# Altium PCB uTCA_MCH_PCB3.pcbdoc (part 7 of 25) (continued)
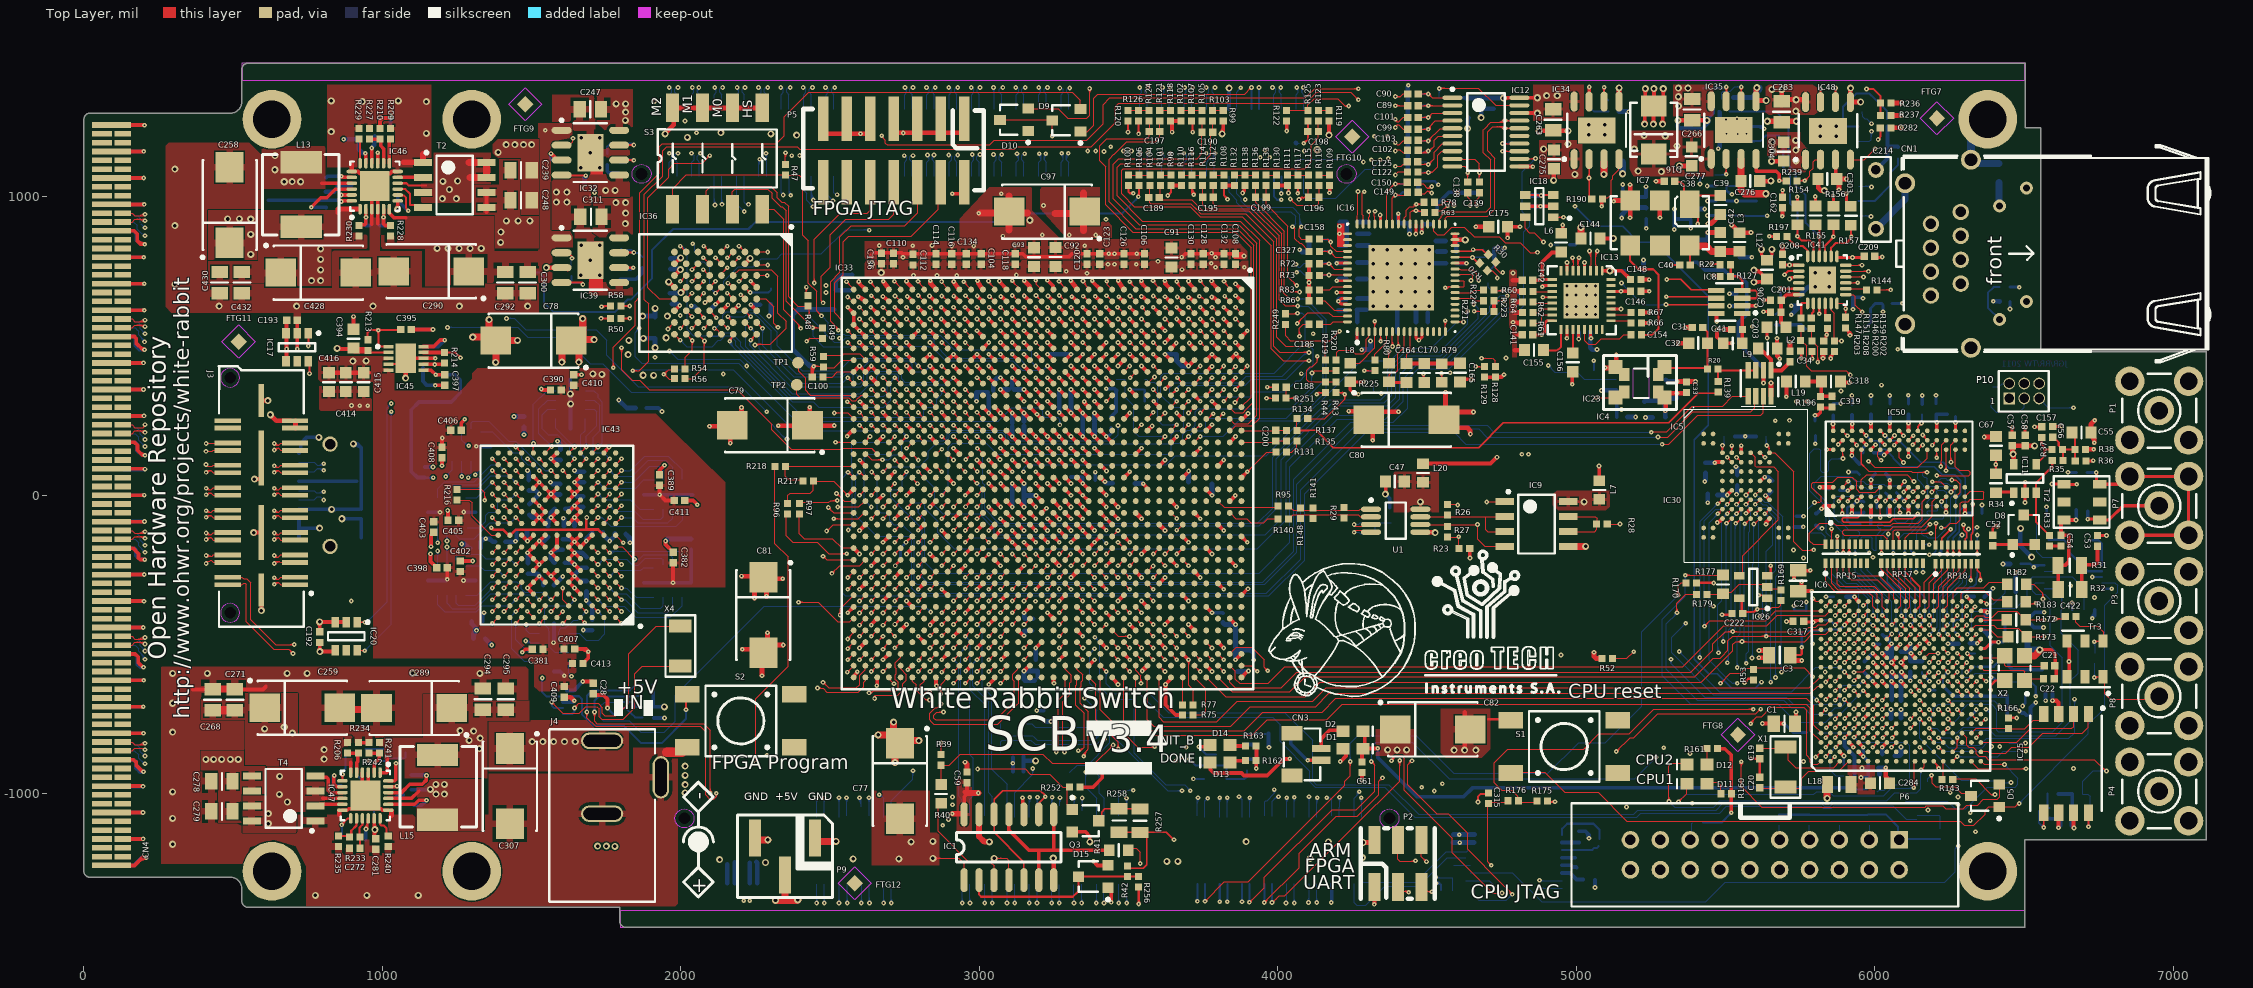
[diagram p0: Top Layer view]
## Nets (pads, with @x,y where several pads share a name; then routed paths per layer and width w, separated by ;. In a path a pad name is that pad's centre, name@x,y a point inside that pad or via, vN(x,y) a via of type N, cw(c..) or ccw(c..) an arc to the next point about the centre after c; other vN are vias at no path point) (continued)
  Bottom Layer w3.94: 5787.35,-35.46 ccw(c5775.88,-24) v1@5792.09,-24 ; 5789.3,-33.51 cw(c5798,-42.21) v1@5798,-29.91 ; v1@5797.27,-24 v1(5798,-24) ; v1@5798.62,-24.19 5798.4,-24.41 5775.43,-47.38 5775.43,-115.32 5785.11,-125 5820,-125 5834.53,-139.53 RP16.9@5834.53,-165.06
DDR_DQM1: IC50.B3 RP16.13 | length 614
  Top Layer w3.94: IC50.B3@5892.17,26.72 5908.1,42.65 v1@5908.74,42.65 ; 5899.67,34.22 ccw(c5887.21,46.67) v1@5904.82,46.67 ; 5903.02,37.57 cw(c5910.73,29.86) v1@5910.73,40.76
  Bottom Layer w3.94: v1@5910.73,40.76 cw(c5910.73,30.44) 5918.03,37.74 ; v1@5911.4,40.73 5915.04,40.73 5924.29,31.48 5931.02,31.48 5933.52,33.98 5940.57,33.98 5947.61,26.94 5955.09,26.94 5955.2,26.83 5967.85,26.83 5974.72,19.96 5986.27,19.96 5993.14,26.83 6011.22,26.83 6015.87,22.18 6015.87,3.15 6013.49,0.77 6005.44,0.77 6000.31,-4.36 5994.46,-4.36 5989.33,0.77 5981.28,0.77 5973.82,8.23 5961.67,8.23 5954.21,0.77 5940.68,0.77 5936.27,-3.64 5871.97,-3.64 5864.17,-11.44 5864.17,-75.59 5876.64,-88.06 5884.44,-88.06 5902.19,-105.81 5902.19,-105.9 5913.29,-117 5941.64,-117 5949.71,-125.07 5949.71,-131.04 5942.42,-138.33 5919.66,-138.33 5913.38,-144.61 5913.38,-153.98 5914.25,-154.85 RP16.13@5914.25,-165.06 ; v1@5916.64,46.67 ccw(c5934.83,46.67) 5921.96,33.81
  other v1: 5910.73,46.67
DDR_DQS0: IC50.F7 RP15.15 | length 704.1
  Top Layer w3.94: v1@5850.82,-116.18 cw(c5840.84,-126.16) 5854.96,-126.16 ; RP15.15@5854.96,-164.66 v1(5855,-112) v1(5855,-112) ; 5854.96,-126.35 cw(c5869.35,-126.35) v1@5859.18,-116.18 ; v1@6015.09,117 ccw(c6000.84,117) 6010.92,127.08 ccw(c6021,137.16) v1@6021,122.91 ; IC50.F7@6018.15,152.7 6009,143.55 6009,129 v1(6021,117)
  MidLayer1 w3.94: v1@5850.82,-107.82 ccw(c5840.74,-97.74) 5855,-97.74 ccw(c5869.26,-97.74) v1@5859.18,-107.82 ; v1(5855,-112) 5855,66 5867,78 5886,78 5892,84 5892,91 5887,96 5841,96 5835,102 5835,115 5840,120 5854,120 5883,149 5954,149 5968,135 6003,135 v1(6021,117) ; v1@6015.09,117 ccw(c6000.84,117) 6010.92,127.08 ccw(c6021,137.16) v1@6021,122.91
DDR_DQS1: IC50.B7 RP16.10 | length 637
  Top Layer w3.94: v1@5888.82,127.18 ccw(c5880.76,135.24) 5892.17,135.24 ; 5892.17,139.27 ccw(c5909.27,139.27) v1@5897.18,127.18 ; IC50.B7@5892.17,152.7 5892.17,123.83 v1(5893,123)
  Bottom Layer w3.94: RP16.10@5855.2,-165.06 5855.2,-143.2 5837,-125 5837,-39.09 5782.06,15.85 5782.06,141.06 5797,156 5812,156 5818,150 5818,82 5823,77 5838,77 5845,84 5845,113 5855,123 v1(5893,123) ; v1@5888.82,118.82 ccw(c5878.74,108.74) 5878.74,123 ccw(c5878.74,137.26) v1@5888.82,127.18
DDR_RAS: IC50.K7 RP17.16 | length 676.9
  Top Layer w3.94: v1@6017.82,-190.82 ccw(c6009.24,-182.24) 6021.38,-182.24 ; v1@6021.38,-194.38 RP17.16@6021.38,-165.33 ; RP17.16@6021.38,-179.24 ccw(c6037.76,-179.24) v1@6026.18,-190.82
  Top Layer w4: IC50.K7@6144.13,152.7 v1(6160.05,168.62) v1@6161.05,168.62 ; v1@6154.18,168.62 cw(c6140,168.62) 6150.03,158.59 cw(c6160.05,148.56) v1@6160.05,162.75
  MidLayer4 w3.94: 6016,95 6016,102 6012,106 6005.8,106 5999.8,100 5999.8,33.8 5972,6 5972,-20 6002,-50 6002,-127 6022,-147 v1(6022,-195) ; v1@6017.82,-190.82 ccw(c6007.74,-180.74) 6022,-180.74 ccw(c6036.26,-180.74) v1@6026.18,-190.82
  MidLayer4 w4: 6016,95 6022,89 6035,89 6097,151 6143.05,151 6160.36,168.31 v1@6160.86,168.81 ; 6149.59,157.54 ccw(c6138.51,168.62) v1@6154.18,168.62 ; 6151.08,159.03 cw(c6160.05,150.05) v1@6160.05,162.75
DDR_VREF: C316.1 C317.1 C319.2 C320.1 IC6.A16 IC50.J2 R195.2 R196.1 | length 1436
  Top Layer w10: C317.1@5767.48,-422.76 5768.72,-424 5795,-424 5800.24,-418.76 IC6.A16@5819.61,-418.76 ; 5781.09,-424 cw(c5781.09,-437.43) v1@5790.59,-427.93 ; v1@5794.65,-427.93 cw(c5816.81,-450.09) IC6.A16@5816.81,-418.76 ; v1@5797.45,267.63 5809.18,267.63 5817.77,276.22 ; v1(5799.5,267.84) v1@5799.95,267.84 ; v1@5800.01,270.67 ccw(c5803.59,290.4) 5817.77,276.22 ; R196.1@5817.77,296.01 5817.77,276.22 ; R196.1@5824.83,292.72 C319.2@5863.3,292.72 ; v1(6098,-20) 6098,-19.42 IC50.J2@6112.64,-4.78 ; v1@6100.87,-20 cw(c6109.22,-20) 6103.32,-14.1
  MidLayer2 w10: v1@5758.76,-67.94 ccw(c5748.52,-57.7) 5763,-57.7 ; v1@5759.65,-69.63 5793.03,-103.01 5793.03,-128.16 5816.03,-151.16 5816.03,-371.2 5792.38,-394.85 5792.38,-426.62 v1@5795,-424 ; v1@5763,-70.69 5763,258 5772.49,267.49 v1@5799.84,267.49 ; v1@5763.66,-69.97 ccw(c5772.53,-69.97) 5766.26,-76.24 ; 5766.21,-2.39 6080.39,-2.39 v1(6098,-20)
  Bottom Layer w10: C316.1@5735.99,-69.28 C316.1@5736.68,-69.97 ; R195.2@5799.5,249.13 v1(5799.5,267.84) ; C320.1@6071.69,9.43 6098,-16.87 v1(6098,-20) ; 6090.88,-9.76 cw(c6080.64,-20) v1@6095.13,-20
  Bottom Layer w12.6: C316.1@5736.68,-69.97 v1(5760.79,-69.97)
  other v1: 5792.62,-425.9
DDR_WE: IC50.K3 RP16.12 | length 673.8
  Top Layer w3.94: v1@6128,17.91 ccw(c6128,35.58) IC50.K3@6140.5,23.08 ; v1@6129.42,12 IC50.K3@6144.13,26.72 ; v1@6133.91,12 cw(c6144.74,12) 6137.08,19.66
  Bottom Layer w3.94: RP16.12@5894.57,-165.06 5894.57,-128.1 5847,-80.53 5847,-32.17 5796.88,17.95 5796.88,39.88 5821.22,64.22 5918.19,64.22 5935.12,47.29 5961.71,47.29 5971.78,37.22 6029,37.22 6034,32.22 6107.78,32.22 v1(6128,12) ; v1@6122.09,12 ccw(c6107.84,12) 6117.92,22.08 ccw(c6128,32.16) v1@6128,17.91
DMTD_CLK_N: IC13.5 IC33.M22 | length 2589.1
  Top Layer w3.94: IC33.M22@3445.87,-137.8 v1@3464.84,-118.82 ; 3453.79,-129.87 ccw(c3442.03,-118.11) v1@3458.66,-118.11 ; 3456.17,-127.5 cw(c3464.57,-135.9) v1@3464.57,-124.02 ; 5005.22,772.09 cw(c5032.1,772.09) v1@5013.09,791.1 ; 5005.22,781.6 cw(c5022.59,781.6) v1@5010.31,793.88 ; IC13.5@5007.87,751.97 5007.87,769.69 5005.22,772.35 5005.22,791.58 v1(5008.91,795.28)
  MidLayer1 w3.94: v1@5005.13,799.06 v1(5008.91,795.28)
  MidLayer4 w3.94: 3375.63,81.83 3375.63,82.78 ; v1@3458.66,-118.11 cw(c3444.4,-118.11) 3454.49,-128.19 cw(c3464.57,-138.27) v1@3464.57,-124.02 ; v1(3464.57,-118.11) 3452.32,-130.35 3407.6,-130.35 3398.62,-121.38 3398.62,-112.81 3391.13,-105.31 3382.05,-105.31 3375.63,-98.9 3375.63,82.78 ; v1@5003.67,792.55 cw(c4995.28,788.19) 5001.97,781.5 ; 5005.77,785.3 ccw(c5000.28,790.79) v1@5007.17,794.37 ; v1(5008.91,795.28) 5008.91,788.44 5001.97,781.5 ; 3375.63,82.78 3375.63,88.88 3385,98.25 3547.95,98.25 3560.64,85.56 3653.95,85.56 3685.73,117.34 3778.83,117.34 3793.57,132.08 3953.14,132.08 4054.72,233.66 4702.75,233.66 4819.85,350.76 4819.85,519.51 4937.43,637.09 4937.43,732.28 4943.34,738.19 4982.26,738.19 5001.97,757.9 5001.97,781.5
DMTD_CLK_P: IC13.6 IC33.L23 | length 2615
  Top Layer w3.94: v1@3464.17,-163.39 cw(c3464.17,-178.59) 3474.93,-167.84 ; v1@3464.57,-157.48 IC33.L23@3484.25,-177.17 ; v1@3470.08,-157.48 ccw(c3483.39,-157.48) 3473.98,-166.89 ; v1@4982.97,791.1 cw(c4963.97,772.09) 4990.85,772.09 ; v1@4985.76,793.88 cw(c4973.47,781.6) 4990.85,781.6 ; v1(4987.15,795.28) 4990.85,791.58 4990.85,772.35 4988.19,769.69 IC13.6@4988.19,751.97
  MidLayer1 w3.94: v1(4987.15,795.28) v1@4990.93,799.06
  MidLayer4 w3.94: 3361.43,82.78 3361.43,88.66 ; v1@3458.27,-157.48 ccw(c3444.01,-157.48) 3454.09,-147.4 ccw(c3464.17,-137.32) v1@3464.17,-151.57 ; v1(3464.17,-157.48) 3451.25,-144.56 3401.72,-144.56 3388.06,-130.91 3380.53,-130.91 3373.03,-123.41 3373.03,-116.39 3361.43,-104.78 3361.43,88.66 ; v1@4982.97,791.1 cw(c4972.89,781.02) 4987.15,781.02 cw(c5001.41,781.02) v1@4991.33,791.1 ; v1(4987.15,795.28) 4987.15,763.17 4976.38,752.39 4937.45,752.39 4923.23,738.17 4923.23,642.98 4805.65,525.39 4805.65,356.65 4696.87,247.87 4048.84,247.87 3947.25,146.28 3787.69,146.28 3772.95,131.54 3679.85,131.54 3648.07,99.76 3566.53,99.76 3553.84,112.45 3379.12,112.45 3361.43,94.76 3361.43,88.66
DMTDCLK_MB_N: IC13.2 J1.95 | length 1640.6
  Top Layer w3.94: 5064.27,798.34 cw(c5080.9,798.34) v1@5072.93,812.93 ; 5064.27,804.97 cw(c5077.27,804.97) v1@5071.04,816.38 ; 5064.27,811.61 cw(c5073.65,811.61) v1@5069.15,819.84 ; v1@5064.8,815.49 cw(c5062.3,814.26) 5064.27,812.29 ; IC13.2@5066.93,751.97 5066.93,769.76 5064.27,772.41 5064.27,799.21 5064.27,812.29 ; v1@5067.48,812.82 ccw(c5066.24,810.32) 5064.27,812.29 ; v1(5070.1,818.11) 5064.27,812.29
  MidLayer4 w3.94: 4081.04,1342.76 cw(c4108.2,1342.76) v1@4088.99,1361.97 ; 4081.04,1352.26 cw(c4098.7,1352.26) v1@4086.21,1364.75 ; v1(4084.82,1366.14) 4081.04,1362.36 4081.04,1326.77 4118.02,1289.8 4192.49,1289.8 4272.43,1209.86 4311.84,1209.86 4317.53,1215.55 4330.13,1215.55 4335.83,1209.86 4355.15,1209.86 4360.84,1215.55 4372.24,1215.55 4378.71,1209.09 4418.47,1209.09 4489.73,1137.83 4709.02,1137.83 4810.85,1036 4977,1036 5064.19,948.81 5064.19,824.02 v1(5070.1,818.11) ; 5064.19,827.61 ccw(c5079.6,827.61) v1@5068.7,816.72 ; 5064.19,837.12 ccw(c5089.1,837.12) v1@5071.49,819.5 ; 5064.19,846.62 ccw(c5098.61,846.62) v1@5074.27,822.29
  Bottom Layer w3.94: 4079.41,1348.48 cw(c4092.94,1348.48) v1@4087.29,1360.78 ; 4079.41,1354.62 cw(c4090.12,1354.62) v1@4085.64,1364.35 ; v1(4084.82,1366.14) 4079.41,1360.73 4079.41,1349.33 4086.54,1342.2 J1.95@4086.54,1293.9
DMTDCLK_MB_P: IC13.3 J1.93 | length 1655.7
  Top Layer w3.94: v1@5039.9,813.93 cw(c5015.76,789.8) 5049.9,789.8 ; v1@5042.69,816.72 cw(c5025.27,799.3) 5049.9,799.3 ; v1(5044.08,818.11) 5049.9,812.29 ; v1@5045.47,819.5 cw(c5034.77,808.81) 5049.9,808.81 ; v1@5046.7,812.82 cw(c5047.93,810.32) 5049.9,812.29 ; IC13.3@5047.24,751.97 5047.24,769.76 5049.9,772.41 5049.9,812.29 ; v1@5049.37,815.49 ccw(c5051.87,814.26) 5049.9,812.29
  MidLayer4 w3.94: v1@4058.88,1361.97 cw(c4039.67,1342.76) 4066.83,1342.76 ; v1@4061.66,1364.75 cw(c4049.18,1352.26) 4066.83,1352.26 ; v1(4063.06,1366.14) 4066.83,1362.36 4066.83,1320.89 4112.13,1275.59 4186.6,1275.59 4266.54,1195.65 4311.84,1195.65 4317.53,1189.96 4330.13,1189.96 4335.83,1195.65 4355.15,1195.65 4360.84,1189.96 4372.64,1189.96 4377.56,1194.88 4412.59,1194.88 4483.85,1123.62 4703.14,1123.62 4804.97,1021.8 4970.19,1021.8 5049.98,942 5049.98,824.02 v1(5044.08,818.11) ; v1@5039.9,822.29 ccw(c5015.57,846.62) 5049.98,846.62 ; v1@5042.69,819.5 ccw(c5025.07,837.12) 5049.98,837.12 ; v1@5045.47,816.72 ccw(c5034.57,827.61) 5049.98,827.61
  Bottom Layer w3.94: v1@4060.59,1360.78 cw(c4054.93,1348.48) 4068.47,1348.48 ; J1.93@4061.34,1293.9 4061.34,1342.2 4068.47,1349.33 4068.47,1360.73 v1(4063.06,1366.14) ; v1@4062.23,1364.35 cw(c4057.76,1354.62) 4068.47,1354.62
DONE: IC33.R8 Q1.1 R46.1 | length 2301.4
  Top Layer w12.6: v1(3307.09,433.07) IC33.R8@3326.77,413.39
  MidLayer4 w3.94: 3237.2,-684.84 3466.1,-913.74 3696.5,-913.74 3769.86,-840.37 v1@3966.36,-840.37 ; 3243.19,-690.67 3175.51,-622.99 3175.51,-439.13 3136.81,-400.43 3136.81,-308.62 3210.55,-234.88 3210.55,316.73 3307.09,413.27 v1(3307.09,433.07) ; v1@3302.91,428.9 cw(c3292.83,418.81) 3307.09,418.81 cw(c3321.34,418.81) v1@3311.26,428.9 ; 3946.28,-840.37 cw(c3946.28,-868.68) v1@3966.3,-848.66 ; 3955.79,-840.37 cw(c3955.79,-859.17) v1@3969.08,-845.88
  Bottom Layer w6.89: R46.1@3889.76,-799.21 Q1.1@3958.66,-799.21
  Bottom Layer w12.6: v1@3968.5,-842.52 Q1.1@3968.5,-798.23 ; 3968.5,-835.93 ccw(c3979.03,-835.93) v1@3971.59,-843.37
  other v1: 3970.47,-844.49
EBI0_A0: IC6.M17 RP18.2 | length 181.6
  Top Layer w3.94: IC6.M17@6166.06,-387.26 6181.81,-371.51 6181.81,-292.54 6223.86,-250.49 RP18.2@6223.86,-229.62
EBI0_A1: IC6.L14 RP20.1 | length 368
  Top Layer w4: IC6.L14@6134.57,-481.75 6134.57,-481.43 v1(6150,-466) ; v1@6144.13,-466 cw(c6129.94,-466) 6139.97,-476.03 cw(c6150,-486.06) v1@6150,-471.87
  MidLayer1 w4: v1(6150,-466) 6150,-463.1 6166,-447.1 6166,-287 6161,-282 v1(6161,-258) ; v1@6150,-460.13 ccw(c6150,-452.94) 6155.08,-458.02 ; v1@6151.87,-466 cw(c6163.4,-466) 6155.25,-457.85 ; v1@6155.87,-466 cw(c6177.05,-466) 6162.08,-451.02 ; v1@6156.85,-262.15 cw(c6146.82,-272.18) 6161,-272.18 cw(c6175.18,-272.18) v1@6165.15,-262.15
  Bottom Layer w4: v1@6156.85,-253.85 ccw(c6148.09,-245.09) 6160.47,-245.09 ; RP20.1@6160.47,-242.55 ccw(c6176.45,-242.55) v1@6165.15,-253.85 ; RP20.1@6160.47,-227.22 6160.47,-257.47 v1(6161,-258)
EBI0_A2: IC6.M18 RP18.1 | length 141.5
  Top Layer w3.94: IC6.M18@6166.06,-355.76 6166.18,-355.65 6166.18,-290.76 6203.19,-253.76 RP18.1@6203.19,-229.62
EBI0_A3: IC6.L15 RP20.5 | length 302.2
  Top Layer w4.29: v1@6119,-440.73 cw(c6119,-455.32) IC6.L15@6129.32,-445 ; v1(6119,-435) 6119.32,-435 IC6.L15@6134.57,-450.25 ; v1@6124.73,-435 ccw(c6137.8,-435) 6128.56,-444.24
  Bottom Layer w4.29: RP20.5@6080.75,-227.22 6080.75,-300.75 6135,-355 6135,-419 v1(6119,-435) ; v1@6119,-429.27 ccw(c6119,-415.44) 6128.78,-425.22 ccw(c6138.56,-435) v1@6124.73,-435
EBI0_A4: IC6.L16 RP20.6 | length 266.8
  Top Layer w3.94: v1@6120,-409.91 cw(c6120,-423.71) IC6.L16@6129.76,-413.95 ; v1(6120,-404) 6120,-404.19 IC6.L16@6134.57,-418.76 ; v1@6125.91,-404 ccw(c6140.62,-404) IC6.L16@6130.21,-414.4
  Bottom Layer w3.94: RP20.6@6061.06,-227.22 6061.06,-295.06 6120,-354 v1(6120,-404) ; v1@6115.82,-399.82 ccw(c6105.74,-389.74) 6120,-389.74 ccw(c6134.26,-389.74) v1@6124.18,-399.82
EBI0_A5: IC6.L18 RP17.4 | length 149.5
  Top Layer w4: RP17.4@6081.42,-228.32 6081.42,-256.43 6134.49,-309.5 6134.49,-355.68 IC6.L18@6134.57,-355.76
EBI0_A6: IC6.L17 RP17.5 | length 185.9
  Top Layer w4.29: RP17.5@6101.1,-228.32 6101.1,-257.1 6150.42,-306.42 6150.42,-371.41 IC6.L17@6134.57,-387.26
EBI0_A7: IC6.K14 RP20.2 | length 360.6
  Top Layer w3.94: IC6.K14@6103.07,-481.75 6104.25,-481.75 v1(6120,-466) ; v1@6114.09,-466 cw(c6099.84,-466) 6109.92,-476.08 cw(c6120,-486.16) v1@6120,-471.91
  MidLayer1 w3.94: v1(6120,-466) 6134,-452 6134,-273 6138,-269 ; v1@6120,-460.09 ccw(c6120,-445.84) 6130.08,-455.92 ccw(c6140.16,-466) v1@6125.91,-466 ; v1@6134.74,-262.92 cw(c6130.71,-269) 6138,-269 ; v1(6138,-258) 6138,-269 ; v1@6141.26,-262.92 ccw(c6145.29,-269) 6138,-269
  Bottom Layer w3.94: v1@6133.82,-253.82 ccw(c6119.39,-239.39) RP20.2@6139.8,-239.39 ; v1@6136.61,-256.61 ccw(c6128.89,-248.89) 6139.8,-248.89 ; v1(6138,-258) 6139.8,-256.2 RP20.2@6139.8,-227.22 ; 6139.8,-248.1 ccw(c6147.9,-248.1) v1@6142.18,-253.82
EBI0_A8: IC6.K15 RP20.7 | length 305.3
  Top Layer w4.29: v1@6088,-440.73 cw(c6088,-454.12) 6097.47,-444.65 ; v1(6088,-435) 6088,-435.18 IC6.K15@6103.07,-450.25 ; v1@6093.73,-435 ccw(c6107.99,-435) IC6.K15@6097.91,-445.09
  Bottom Layer w4.29: RP20.7@6041.38,-227.22 6041.38,-289.38 6104,-352 6104,-419 v1(6088,-435) ; v1@6088,-429.27 ccw(c6088,-415.44) 6097.78,-425.22 ccw(c6107.56,-435) v1@6093.73,-435
EBI0_A9: IC6.K16 RP20.8 | length 270
  Top Layer w3.94: v1@6089,-409.91 cw(c6089,-422.51) IC6.K16@6097.91,-413.6 ; v1(6089,-404) 6089,-404.68 IC6.K16@6103.07,-418.76 ; v1@6094.91,-404 ccw(c6110.81,-404) IC6.K16@6099.57,-415.25
  Bottom Layer w3.94: RP20.8@6020,-227.93 6020,-281 6089,-350 v1(6089,-404) ; v1@6084.82,-399.82 ccw(c6074.74,-389.74) 6089,-389.74 ccw(c6103.26,-389.74) v1@6093.18,-399.82
EBI0_A10: IC6.K18 RP17.2 | length 152.7
  Top Layer w3.94: RP17.2@6042.05,-228.32 6042.05,-252.38 6103.07,-313.4 IC6.K18@6103.07,-355.76
EBI0_A11: IC6.K17 RP17.3 | length 188.1
  Top Layer w3.94: RP17.3@6061.73,-228.32 6061.73,-256.2 6117.62,-312.08 6117.62,-372.71 IC6.K17@6103.07,-387.26
EBI0_A12: IC6.J14 RP16.1 | length 352.8
  Top Layer w3.94: IC6.J14@6071.58,-481.75 6072.25,-481.75 v1(6088,-466) ; v1@6082.09,-466 cw(c6067.84,-466) 6077.92,-476.08 cw(c6088,-486.16) v1@6088,-471.91
  Bottom Layer w3.94: RP16.1@5974.29,-228.05 5974.29,-251.29 6072,-349 6072,-450 v1(6088,-466) ; v1@6082.09,-466 ccw(c6067.84,-466) 6077.92,-455.92 ccw(c6088,-445.84) v1@6088,-460.09
EBI0_BA0: IC6.G17 RP15.1 | length 296
  Top Layer w3.94: RP15.1@5834.29,-227.65 5834.72,-228.09 5834.72,-289.86 5870.71,-325.84 5980.31,-325.84 5993.07,-338.61 5993.07,-371.75 IC6.G17@6008.58,-387.26
EBI0_BA1: IC6.G16 RP16.6 | length 310.8
  Top Layer w3.94: v1@5994,-408.91 cw(c5994,-420.33) 6002.08,-412.25 ; v1(5994,-403) 5994,-404.17 IC6.G16@6008.58,-418.76 ; v1@5999.91,-403 ccw(c6016.99,-403) IC6.G16@6004.91,-415.08
  Bottom Layer w3.94: RP16.6@5874.88,-228.05 5874.88,-265.88 5904,-295 5938,-295 5994,-351 v1(5994,-403) ; v1@5989.82,-398.82 ccw(c5979.74,-388.74) 5994,-388.74 ccw(c6008.26,-388.74) v1@5998.18,-398.82
EBI0_CAS: IC6.H17 RP15.3 | length 296.3
  Top Layer w3.94: RP15.3@5874.65,-227.65 5874.65,-296.98 5882.52,-304.86 5998.15,-304.86 6025.11,-331.82 6025.11,-373.55 IC6.H17@6039.52,-387.96
EBI0_CKE: IC6.J16 RP16.2 | length 314.8
  Top Layer w3.94: v1(6057,-434) 6057,-433.33 IC6.J16@6071.58,-418.76 ; v1@6057,-428.09 ccw(c6057,-415.45) 6065.94,-424.39 ; v1@6062.91,-434 cw(c6078.78,-434) IC6.J16@6067.55,-422.78
  Bottom Layer w3.94: RP16.2@5953.62,-228.05 5953.62,-253.76 6057,-357.14 v1(6057,-434) ; v1@6052.82,-429.82 ccw(c6042.74,-419.74) 6057,-419.74 ccw(c6071.26,-419.74) v1@6061.18,-429.82
EBI0_CLK_N: IC6.H18 RP15.4 | length 247.3
  Top Layer w3.94: RP15.4@5894.33,-227.65 5894.33,-257.61 5920.2,-283.48 6008.46,-283.48 6048.64,-323.66 6048.64,-347.2 IC6.H18@6040.08,-355.76
EBI0_CLK_P: IC6.J18 RP15.5 | length 244.5
  Top Layer w3.94: RP15.5@5914.02,-227.65 5914.02,-256.04 5927.09,-269.11 6014.42,-269.11 6063.01,-317.71 6063.01,-347.2 IC6.J18@6071.58,-355.76
EBI0_CS: IC6.H14 RP16.3 | length 360.5
  Top Layer w3.94: IC6.H14@6040.08,-481.75 6040.08,-481.08 6056.16,-465 v1(6057,-465) ; 6045.48,-475.68 cw(c6057,-487.2) v1@6057,-470.91 ; 6047.51,-473.64 ccw(c6038.87,-465) v1@6051.09,-465
  Bottom Layer w3.94: RP16.3@5933.94,-228.05 5933.94,-253.94 5943,-263 5949,-263 6041,-355 6041,-449 v1(6057,-465) ; v1@6051.09,-465 ccw(c6036.84,-465) 6046.92,-454.92 ccw(c6057,-444.84) v1@6057,-459.09
EBI0_D0: IC6.R16 RP18.7 | length 315.3
  Top Layer w3.94: IC6.R16@6260.55,-418.76 v1@6275.91,-403.4 ; v1@6270.39,-403.01 cw(c6256.14,-403.01) 6266.22,-413.09 cw(c6276.3,-423.17) v1@6276.3,-408.91 ; v1@6317.24,-280.29 ccw(c6305.07,-268.12) 6322.28,-268.12 ; v1(6321.42,-284.46) 6322.28,-283.6 RP18.7@6322.28,-229.62 ; 6322.28,-272.3 ccw(c6333.58,-272.3) v1@6325.59,-280.29
  MidLayer1 w3.94: v1@6270.39,-403.01 ccw(c6256.14,-403.01) 6266.22,-392.93 ccw(c6276.3,-382.85) v1@6276.3,-397.1 ; v1(6276.3,-403.01) 6262.32,-389.03 6262.32,-343.56 v1(6321.42,-284.46) ; v1@6315.51,-284.46 cw(c6301.25,-284.46) 6311.34,-294.55 cw(c6321.42,-304.63) v1@6321.42,-290.37
EBI0_D1: IC6.R15 RP18.8 | length 359.6
  Top Layer w3.94: IC6.R15@6260.55,-450.25 v1(6276.3,-434.5) ; v1@6270.39,-434.5 cw(c6256.14,-434.5) 6266.22,-444.59 cw(c6276.3,-454.67) v1@6276.3,-440.41
  Top Layer w4.29: RP18.8@6342.95,-229.62 6342.95,-250.45 6353.23,-260.72 v1(6353.23,-284.46) ; v1@6349.18,-280.41 ccw(c6339.4,-270.64) 6353.23,-270.64 ccw(c6367.06,-270.64) v1@6357.28,-280.41
  MidLayer1 w3.94: v1(6276.3,-434.5) 6293.62,-417.18 6293.62,-331.38 6320.59,-304.41 6333.28,-304.41 v1(6353.23,-284.46) ; v1@6276.3,-428.6 ccw(c6276.3,-414.34) 6286.38,-424.42 ccw(c6296.46,-434.5) v1@6282.2,-434.5 ; v1@6347.32,-284.46 cw(c6333.07,-284.46) 6343.15,-294.55 cw(c6353.23,-304.63) v1@6353.23,-290.37
EBI0_D2: IC6.T14 RP19.1 | length 356.1
  Top Layer w4.29: v1@6277,-472.73 cw(c6277,-487.28) IC6.T14@6287.29,-476.99 ; v1(6277,-467) 6277.3,-467 IC6.T14@6292.05,-481.75 ; v1@6282.73,-467 ccw(c6295.83,-467) IC6.T14@6286.57,-476.27
  Bottom Layer w4.29: v1@6271.27,-467 ccw(c6257.44,-467) 6267.22,-457.22 ccw(c6277,-447.44) v1@6277,-461.27 ; v1(6277,-467) 6262.34,-452.34 6262.34,-426.66 6272.04,-416.96 6286.04,-416.96 6293,-410 6293,-332 6319,-306 6330,-306 6339,-297 6339,-277 6342.95,-273.05 RP19.1@6342.95,-229.62
EBI0_D3: IC6.P15 RP19.2 | length 313.1
  Top Layer w3.94: IC6.P15@6229.06,-450.25 v1@6244.8,-434.5 ; IC6.P15@6230.8,-448.51 ccw(c6216.85,-434.56) v1@6236.57,-434.56 ; 6236.27,-443.04 cw(c6242.48,-449.25) v1@6242.48,-440.47 ; 6237.52,-441.79 ccw(c6230.29,-434.56) v1@6240.51,-434.56
  Bottom Layer w3.94: v1(6242.48,-434.56) 6260,-417.04 6260,-345 6307,-298 6307,-279.39 6322.28,-264.11 RP19.2@6322.28,-229.62 ; v1@6242.48,-428.66 ccw(c6242.48,-414.4) 6252.56,-424.48 ccw(c6262.64,-434.56) v1@6248.39,-434.56
EBI0_D4: IC6.P16 RP19.3 | length 273.4
  Top Layer w3.94: IC6.P16@6229.06,-418.76 v1@6244.75,-403.07 ; IC6.P16@6230.8,-417.01 ccw(c6216.85,-403.07) v1@6236.57,-403.07 ; 6236.27,-411.54 cw(c6242.48,-417.76) v1@6242.48,-408.97 ; 6237.52,-410.29 ccw(c6230.29,-403.07) v1@6240.51,-403.07
  Bottom Layer w3.94: v1@6238.3,-398.89 ccw(c6228.22,-388.81) 6242.48,-388.81 ccw(c6256.74,-388.81) v1@6246.66,-398.89 ; v1(6242.48,-403.07) 6242.48,-343.52 6294,-292 6294,-274 6302.6,-265.4 RP19.3@6302.6,-229.62
EBI0_D5: IC6.P17 RP18.6 | length 188.1
  Top Layer w3.94: IC6.P17@6229.06,-387.26 6229.06,-383.32 6244.59,-367.79 6244.59,-310.11 6302.6,-252.1 RP18.6@6302.6,-229.62
EBI0_D6: IC6.R14 RP19.4 | length 333
  Top Layer w3.94: v1@6244,-471.91 cw(c6244,-488.1) IC6.R14@6255.45,-476.65 ; v1(6244,-466) 6244.8,-466 IC6.R14@6260.55,-481.75 ; v1@6249.91,-466 ccw(c6262.22,-466) 6253.51,-474.71
  Bottom Layer w3.94: v1@6238.09,-466 ccw(c6223.84,-466) 6233.92,-455.92 ccw(c6244,-445.84) v1@6244,-460.09 ; v1(6244,-466) 6228.7,-450.7 6228.7,-342.3 6282.91,-288.09 RP19.4@6282.91,-229.62
EBI0_D7: IC6.P14 RP19.5 | length 322.9
  Top Layer w3.94: v1@6214,-471.91 cw(c6214,-484.49) 6222.9,-475.59 ; v1(6214,-466) 6214,-466.69 IC6.P14@6229.06,-481.75 ; v1@6219.91,-466 ccw(c6235.83,-466) IC6.P14@6224.57,-477.26
  Bottom Layer w3.94: v1@6209.88,-461.77 ccw(c6200.36,-452) 6214,-452 ; v1(6214,-466) 6214,-452 ; v1@6218.12,-461.77 cw(c6227.64,-452) 6214,-452 ; RP19.5@6263.23,-229.62 6263.23,-294.77 6219,-339 6219,-447 6214,-452
EBI0_D8: IC6.N15 RP19.7 | length 289.3
  Top Layer w3.94: v1@6182,-440.91 cw(c6182,-455.91) IC6.N15@6192.61,-445.3 ; v1(6182,-435) 6182.31,-435 IC6.N15@6197.56,-450.25 ; v1@6187.91,-435 ccw(c6201.42,-435) 6191.86,-444.56
  Bottom Layer w3.94: v1(6182,-435) 6198,-419 6198,-331 6224,-305 RP19.7@6224,-229.76 ; v1@6182,-429.09 ccw(c6182,-414.84) 6192.08,-424.92 ccw(c6202.16,-435) v1@6187.91,-435
EBI0_D9: IC6.N16 RP19.8 | length 248.9
  Top Layer w3.94: v1@6182,-408.91 cw(c6182,-422.69) 6191.75,-412.94 ; v1(6182,-403) 6182,-403.2 IC6.N16@6197.56,-418.76 ; v1@6187.91,-403 ccw(c6202.64,-403) IC6.N16@6192.22,-413.42
  Bottom Layer w3.94: v1@6177.82,-398.82 ccw(c6167.74,-388.74) 6182,-388.74 ccw(c6196.26,-388.74) v1@6186.18,-398.82 ; v1(6182,-403) 6182,-330 6203,-309 RP19.8@6203,-229.81
EBI0_D10: IC6.P18 RP18.5 | length 148.4
  Top Layer w3.94: IC6.P18@6229.06,-355.76 6229.06,-305.45 6282.91,-251.59 RP18.5@6282.91,-229.62
EBI0_D11: IC6.N17 RP18.4 | length 185
  Top Layer w3.94: IC6.N17@6197.56,-387.26 6213.76,-371.06 6213.76,-304.17 6263.46,-254.46 6263.46,-229.86 RP18.4@6263.23,-229.62
EBI0_D12: IC6.N18 RP18.3 | length 145.2
  Top Layer w3.94: IC6.N18@6197.56,-355.76 6197.56,-296.2 6243.54,-250.21 RP18.3@6243.54,-229.62
EBI0_D13: IC6.N14 RP19.6 | length 327.8
  Top Layer w3.94: v1@6183,-472.91 cw(c6183,-487.16) 6193.08,-477.08 cw(c6203.16,-467) v1@6188.91,-467 ; v1(6183,-467) 6197.56,-481.56 IC6.N14@6197.56,-481.75
  Bottom Layer w3.94: v1(6183,-467) 6209,-441 6209,-334 6244,-299 RP19.6@6244,-230.08 ; v1@6183,-461.09 ccw(c6183,-446.84) 6193.08,-456.92 ccw(c6203.16,-467) v1@6188.91,-467
EBI0_D14: IC6.M15 RP20.3 | length 299.6
  Top Layer w4.29: v1@6150,-439.73 cw(c6150,-453.1) 6159.46,-443.65 ; v1(6150,-434) 6150,-434.19 IC6.M15@6166.06,-450.25 ; v1@6155.73,-434 ccw(c6170.01,-434) 6159.91,-444.1
  Bottom Layer w4.29: RP20.3@6120.12,-227.22 6120.12,-294.12 6167,-341 6167,-417 v1(6150,-434) ; v1@6150,-428.27 ccw(c6150,-414.44) 6159.78,-424.22 ccw(c6169.56,-434) v1@6155.73,-434
EBI0_D15: IC6.M16 RP20.4 | length 261.7
  Top Layer w4.92: v1@6151,-409.41 cw(c6151,-423.23) IC6.M16@6160.77,-413.46 ; v1(6151,-404) 6151.31,-404 IC6.M16@6166.06,-418.76 ; v1@6156.41,-404 ccw(c6168.74,-404) 6160.02,-412.72
  Bottom Layer w4: RP20.4@6100.43,-227.22 6100.43,-293.43 6151,-344 v1(6151,-404) ; v1@6146.85,-399.85 ccw(c6136.82,-389.82) 6151,-389.82 ccw(c6165.18,-389.82) v1@6155.15,-399.85
EBI0_DQM0: IC6.G14 RP16.8 | length 418.7
  Top Layer w3.94: v1@5992,-472.91 cw(c5992,-491.59) IC6.G14@6005.21,-478.38 ; v1@5992,-468.97 cw(c5992,-478.15) 5998.49,-471.66 ; v1(5992,-467) 5993.84,-467 IC6.G14@6008.58,-481.75 ; v1@5997.91,-467 ccw(c6007.73,-467) 6000.78,-473.95
  Bottom Layer w3.94: RP16.8@5834.53,-228.05 5834.53,-264.53 5890,-320 5936,-320 5946,-330 5946,-443 5953,-450 5975,-450 v1(5992,-467) ; v1@5986.09,-467 ccw(c5971.84,-467) 5981.92,-456.92 ccw(c5992,-446.84) v1@5992,-461.09
EBI0_DQM1: IC6.H16 RP16.4 | length 295.8
  Top Layer w3.94: v1@6025,-407.91 cw(c6025,-422.16) 6035.08,-412.08 cw(c6045.16,-402) v1@6030.91,-402 ; v1(6025,-402) 6040.08,-417.08 IC6.H16@6040.08,-418.76
  Bottom Layer w3.94: RP16.4@5914.25,-228.05 5914.25,-258.25 5927,-271 5941,-271 6025,-355 v1(6025,-402) ; v1@6020.82,-397.82 ccw(c6010.74,-387.74) 6025,-387.74 ccw(c6039.26,-387.74) v1@6029.18,-397.82
EBI0_DQS0: IC6.G18 RP15.2 | length 260.5
  Top Layer w3.94: RP15.2@5854.96,-227.65 5854.96,-294.98 5876.34,-316.35 5993.78,-316.35 6008.58,-331.16 IC6.G18@6008.58,-355.76
EBI0_DQS1: IC6.G15 RP16.7 | length 353.6
  Top Layer w3.94: v1@5994,-441.91 cw(c5994,-456.96) IC6.G15@6004.65,-446.32 ; v1(5994,-436) 5994.33,-436 IC6.G15@6008.58,-450.25 ; v1@5999.91,-436 ccw(c6013.36,-436) IC6.G15@6003.85,-445.52
  Bottom Layer w3.94: RP16.7@5855.2,-228.05 5855.2,-263.2 5900,-308 5939,-308 5976,-345 5976,-418 v1(5994,-436) ; v1@5988.09,-436 ccw(c5973.84,-436) 5983.92,-425.92 ccw(c5994,-415.84) v1@5994,-430.09
EBI0_RAS: IC6.J17 RP17.1 | length 191.4
  Top Layer w3.94: RP17.1@6021.38,-228.32 6021.38,-247.14 6087.19,-312.95 6087.19,-370.7 IC6.J17@6071.8,-386.09
EBI0_WE: IC6.H15 RP16.5 | length 341.9
  Top Layer w3.94: v1@6025,-439.91 cw(c6025,-454.16) 6035.08,-444.08 cw(c6045.16,-434) v1@6030.91,-434 ; v1(6025,-434) 6040.08,-449.08 IC6.H15@6040.08,-450.25
  Bottom Layer w3.94: RP16.5@5894.57,-228.05 5894.57,-263.57 5913,-282 5938,-282 6010,-354 6010,-419 v1(6025,-434) ; v1@6019.09,-434 ccw(c6004.84,-434) 6014.92,-423.92 ccw(c6025,-413.84) v1@6025,-428.09
EBI1_A0: IC6.F13 IC33.J30 | length 2744.2
  Top Layer w3.94: IC33.J30@3562.99,-452.76 v1(3582.68,-472.44) ; v1@3576.77,-472.44 ccw(c3562.51,-472.44) 3572.6,-462.36 ccw(c3582.68,-452.28) v1@3582.68,-466.54 ; v1(5961.33,-528.99) IC6.F13@5977.09,-513.24 ; v1@5961.33,-523.09 ccw(c5961.33,-508.83) 5971.41,-518.91 ccw(c5981.49,-528.99) v1@5967.23,-528.99
  MidLayer2 w3.94: v1@3580.71,-472.44 3600.39,-492.13 3600.39,-549.61 3761.1,-710.32 5332.69,-710.32 5453,-590 5602,-590 5628,-564 5648,-564 5679,-533 5758,-533 5769,-544 5946.32,-544 v1(5961.33,-528.99) ; v1@3582.68,-478.35 cw(c3582.68,-487.85) 3589.4,-481.13 ; v1@3584.65,-472.44 ccw(c3594.15,-472.44) 3587.43,-479.16 ; v1@3588.58,-472.44 ccw(c3607.59,-472.44) 3594.15,-485.88 ; v1@5955.42,-528.99 cw(c5941.16,-528.99) 5951.25,-539.07 cw(c5961.33,-549.15) v1@5961.33,-534.9